# Altium PCB ELOC_Transmitter.PcbDoc (continued)
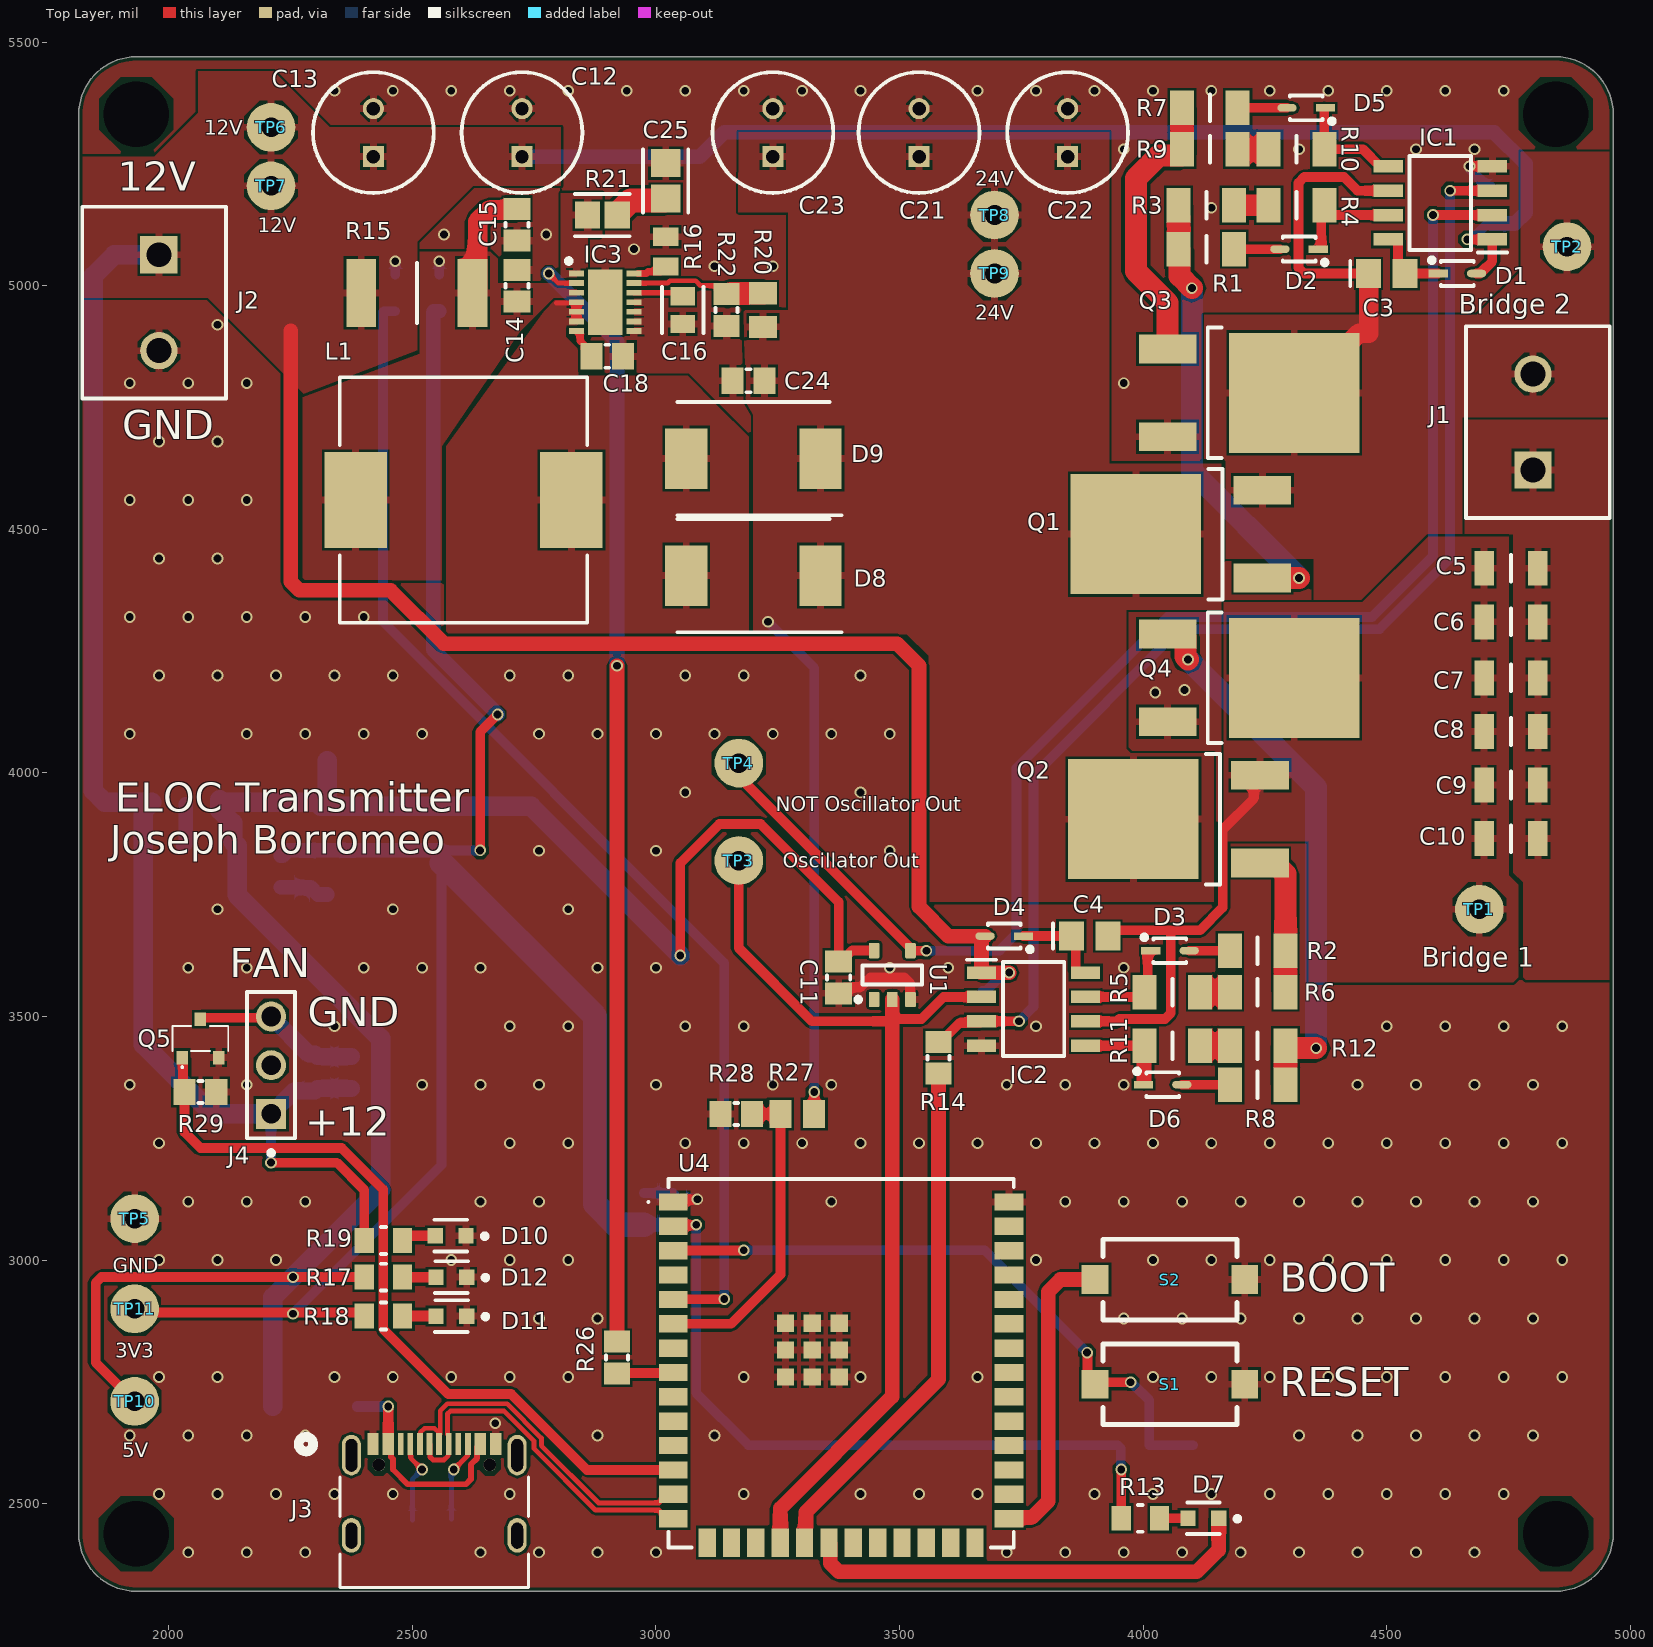
[diagram p0: Top Layer view]
## Footprints (in the part's own frame and the unit in brackets; to place one, negate y for a bottom-side part, rotate by r counter-clockwise, add the part's x,y. Pads: shape width x height; smd on the part's side, far side on the other; paste and mask are expansions set on the pad) (continued)
  silkscreen extent -47,-42 47,42, body extent -51,-31 51,31, height 10
FP-CL21-IPC_A [mil]
  rect 57.27x61.27 smd paste+0 mask+0: 1(-36.45,0) 2(36.45,0)
  silkscreen extent -65,-46 65,46, body extent -85,-50 85,50, height 10
FP-CL21-IPC_B [mil]
  rect 49.4x57.33 smd paste+0 mask+0: 1(-32.51,0) 2(32.51,0)
  silkscreen extent -57,-44 57,44, body extent -39,-25 39,25, height 57
FP-CRCW0805-e3-MFG [mm]
  rect 0.95x1.45 smd paste+0 mask+0: 1(-0.975,0) 2(0.975,0)
  silkscreen extent -0.13,-0.7 0.13,0.7, body extent -1,-0.63 1,0.63, height 0.5
FP-DBV0005A-IPC_A [mm]
  rect 1.805x0.612 smd paste+0 mask+0: 1(-1.15,0.95)
  rrect100% 1.805x0.612 smd paste+0 mask+0: 2(-1.15,0) 3(-1.15,-0.95) 4(1.15,-0.95) 5(1.15,0.95)
  silkscreen extent -3.03,-1.7 1.4,1.7, body extent -1.4,-1.45 1.4,1.45, height 1.45
FP-PR20203VBNN-MFG [mm]
  rect 1.57x1.57 hole 1.02 paste-1000 mask+0: 1(-2.54,0)
  round 1.57 hole 1.02 paste-1000 mask+0: 2(0,0) 3(2.54,0)
  silkscreen extent -4.7,-1.25 3.81,1.25, body extent -3.91,-1.35 3.91,1.35, height 0.25
FP-RNCP0805-IPC_B [mil]
  rect 51.4x55.44 smd paste+0 mask+0: 1(-30.57,0) 2(30.57,0)
  silkscreen extent -56,-43 56,43, body extent -66,-38 66,38, height 10
FP-RNCP0805-MFG [mm]
  rect 1x1.3 smd paste+0 mask+0: 1(-1,0) 2(1,0)
  silkscreen extent -0.13,-0.7 0.13,0.7, body extent -1.6,-0.8 1.6,0.8, height 0.25
FP-SOT223-IPC_B [mm]
  rect 1.86x0.872 smd paste+0 mask+0: 1(-2.976,2.3)
  rrect100% 1.86x0.872 smd paste+0 mask+0: 2(-2.976,0) 3(-2.976,-2.3)
  rrect47% 1.86x3.172 smd paste+0 mask+0: 4(2.976,0)
  silkscreen extent -3.1,-3.25 1.5,3.62, body extent -3.5,-3.25 3.5,3.25, height 1.8
FP-SRP1265C-MFG [mm]
  rect 3.25x5 smd paste+0 mask+0: 1(-5.625,0) 2(5.625,0)
  silkscreen extent -6.45,-6.4 6.45,6.4, body extent -7.35,-6.5 7.35,6.5, height 0.25
FP-TO252-MFG [mm]
  rect 1.5x3 smd paste+0 mask+0: 1(-2.286,-5.202) 3(2.286,-5.202)
  rect 6.25x6.8 smd paste+0 mask+0: 4(0,1.398)
  silkscreen extent -3.4,-3.11 3.4,-2.38, body extent -3.58,-6.8 3.58,4.9, height 0.25
RES0805 [mm] "Resistor with 0805 Footprint"
  rect 1.15x1.35 smd: 1(-0.825,0) 2(0.825,0)
  silkscreen extent -0.1,-0.58 0.1,0.58, body extent -1.05,-0.67 1.05,0.67, height 0.6
RESC2013X70X40LL20T20 [mm] "Chip Resistor, 2-Leads, Body 2.00x1.25mm, IPC High Density"
  rect 0.95x1.35 smd: 1(-0.775,0) 2(0.775,0)
  body extent -1.1,-0.72 1.1,0.72, height 0.7
RESC2013X70X40NL20T20 [mm] "Chip Resistor, 2-Leads, Body 2.00x1.25mm, IPC Medium Density"
  rect 1.15x1.45 smd: 1(-0.875,0) 2(0.875,0)
  body extent -1.1,-0.72 1.1,0.72, height 0.7
RESC3216X70N [mm]
  rect 1.25x1.8 smd: 1(-1.45,0) 2(1.45,0)
  silkscreen extent 0,-0.7 0,0.7, body extent -1.6,-0.8 1.6,0.8, height 0.55
RESC6434X90N [mm]
  rect 1.55x3.55 smd: 1(-2.9,0) 2(2.9,0)
  silkscreen extent 0,-1.58 0,1.58, body extent -3.22,-1.68 3.22,1.68, height 0.9
SOD-128 [mm]
  rect 1.4x2.1 smd mask+0.076: 1(-2.2,0) 2(2.2,0)
  silkscreen extent -2.2,-1.35 2.2,1.35, body extent -2.5,-1.35 2.5,1.35, height 1.1
SOIC127P600X175-8N [mm]
  rect 1.525x0.65 smd: 1(-2.712,1.905) 2(-2.712,0.635) 3(-2.712,-0.635) 4(-2.712,-1.905) 5(2.712,-1.905) 6(2.712,-0.635) 7(2.712,0.635) 8(2.712,1.905)
  silkscreen extent -3.47,-2.45 1.6,2.58, body extent -3,-2.45 3,2.45, height 1.75
SON50P300X400X100-15N-D [mm]
  rect 0.8x0.3 smd: 1(-1.5,1.5) 2(-1.5,1) 3(-1.5,0.5) 4(-1.5,0) 5(-1.5,-0.5) 6(-1.5,-1) 7(-1.5,-1.5) 8(1.5,-1.5) 9(1.5,-1) 10(1.5,-0.5) 11(1.5,0) 12(1.5,0.5) 13(1.5,1) 14(1.5,1.5)
  rect 1.8x3.4 smd: 15(0,0)
  silkscreen extent -2.02,2.03 -1.77,2.27, body extent -1.55,-2 1.55,2, height 1
Tactile_Button_3X6X2 [mm] "Tactile Button"
  rect 1.4x1.5 smd: 1(-3.9,0) 2(3.9,0)
  silkscreen extent -3.5,-2.1 3.5,2.1, body extent -4,-1.85 4,1.85, height 3.05
TBAT54CLM [mm]
  rect 0.6x0.7 smd: 1(-0.95,-1) 2(0.95,-1) 3(0,1)
  silkscreen extent -1.45,-1.55 1.45,0.65, body extent -1.45,-1.2 1.45,1.2, height 0.95
TESTPOINT_LOOP [mm]
  round 2.54 hole 1.02: 1(0,0)
  body extent -1.27,-1.27 1.27,1.27, height 4.57
USB4105_GCT [mil]
  oval 39x71 smd: 13(-170.08,-49.97) 14(170.08,-49.97)
  oval 39x83 smd: 15(-170.08,114.6) 16(170.08,114.6)
  round 26 hole 26 unplated: 17(-113.78,94.91) 18(113.78,94.91)
  rect 23x45 smd: A1-B12(-125.98,137.24) A4-B9(-94.49,137.24) B1-A12(125.98,137.24) B4-A9(94.49,137.24)
  rect 12x45 smd paste+0 mask+0: A5(-49.21,137.24) A6(-9.84,137.24) A7(9.84,137.24) A8(49.21,137.24) B5(68.9,137.24) B6(29.53,137.24) B7(-29.53,137.24) B8(-68.9,137.24)
  round 24 hole 24 slot 53.15 at 90 deg unplated: S_1_H1(-170.08,-50.79) S_2_H1(170.08,-50.79)
  round 24 hole 24 slot 66.93 at 90 deg unplated: S_3_H1(-170.08,114.17) S_4_H1(170.08,114.17)
  silkscreen extent -278,-157 194,152, body extent -189,-152 189,151, height 130

## Part data
C1 C2: library part CMP-207839-000010-1, "CAP CER 1UF 25V X7R 0805", Capacitance=1uF, Case Code (Imperial)=0805, Case Code (Metric)=2012, Dielectric=X7R, Max Operating Temperature=125°C, Min Operating Temperature=-55°C, Tolerance=10%, Voltage Rating=25V, Case/Package=0805, Length=0.079inch, Mount="Surface Mount", Packaging="Cut Tape", RoHS Compliant=Yes, Series=WCAP-CSGP, Thickness=0.053inch, Voltage Rating (DC)=25V, Width=0.049inch
C3 C4: "Capacitor", Capacitance=100nF, Manufacturer_Name=KEMET, Mouser Part Number=80-C0805C104K1RAUTLR, Arrow Part Number=C0805C104K1RACAUTO7210, Arrow Price/Stock=https://www.arrow.com/en/products/c0805c104k1racauto7210/kemet-corporation?region=europe, Datasheet Link=https://content.kemet.com/datasheets/KEM_C1023_X7R_AUTO_SMD.pdf, Height=1.1mm, Manufacturer_Part_Number=C0805C104K1RACAUTO7210, Mouser Price/Stock=https://www.mouser.co.uk/ProductDetail/KEMET/C0805C104K1RACAUTO7210?qs=NJR6qtu0rR34GE7CYHVK6Q%3D%3D
C5 C6 C7 C8 C9 C10: "Capacitor", Capacitance=10nF, Manufacturer_Name=KEMET, Mouser Part Number=80-C1206C103JAGECAUT, Arrow Part Number=C1206C103JAGECAUTO, Arrow Price/Stock=https://www.arrow.com/en/products/c1206c103jagecauto/kemet-corporation?region=nac, Datasheet Link=https://content.kemet.com/datasheets/KEM_C1091_C0G_ESD.pdf, Height=1.1mm, Manufacturer_Part_Number=C1206C103JAGECAUTO, Mouser Price/Stock=https://www.mouser.co.uk/ProductDetail/KEMET/C1206C103JAGECAUTO?qs=MLItCLRbWsxJM3Q8yxQv7A%3D%3D
C11 C14 C17 C18 C30 C32: "CAP CER 0.1UF 50V X7R 0805", Capacitance=0.1µF, Package / Case=0805, Supplier Part Number 1=399-1170-1-ND, Temperature Coefficient=X7R, Tolerance=±10%, Voltage - Rated=50V, Supplier 1=Digi-Key
C12 C13 C21 C22 C23: "Capacitor Polarised", Capacitance=100uF, Manufacturer_Name="Wurth Elektronik", Mouser Part Number=710-860010573007, Voltage Rating=35V, Datasheet Link=http://katalog.we-online.de/pbs/datasheet/860010573007.pdf, Height=12.5mm, Manufacturer_Part_Number=860010573007, Mouser Price/Stock=https://www.mouser.co.uk/ProductDetail/Wurth-Elektronik/860010573007?qs=0KOYDY2FL2%2FkmR1S6v%2F3Lg%3D%3D
C15 C24 C29 C31: "CAP CER 22UF 16V X5R 0805", Capacitance=22µF, Supplier Part Number 1=1276-6780-1-ND, Temperature Coefficient=X5R, Tolerance=±20%, Voltage - Rated=16V, Supplier 1=Digi-Key
C16 C20: library part CMP-13271-000003-1, "CAP CER 0.33UF 50V X7R 0805", Capacitance=330nF, Manufacturer="Samsung Electro-Mechanics", Package=CL21-F, Temperature="-55°C to +125°C", Temperature Characteristic=X7R, Temperature Coefficient=15%, Temperature Range High=+125°C, Temperature Range Low=-55°C, Tolerance=10%, Voltage Rating=50V, Automotive=No, Category=Cap, ComponentLink2Description=Datasheet, ComponentLink2URL=http://www.samsungsem.com/kr/support/product-search/mlcc/__icsFiles/afieldfile/2018/07/24/CL21B334KBFNNNE.pdf, Device Class L1="Passive Components", Device Class L2=Capacitors, Device Class L3="Ceramic Capacitors", Digikey Description="CAP CER 0.33UF 50V X7R 0805", Height=1.35mm, Ipc Land Pattern Name=CAPC200125X125, Lead Free=Yes, Manufacturer Part Number=CL21B334KBFNNNE, Material=Ceramic, Octopart=https://octopart.com/cl21b334kbfnnne-samsung-9287149, RoHS=TRUE
C19: library part CMP-2007-04689-1, Capacitance=100nF, Manufacturer="AVX Interconnect / Elco", Part Number=08055D104KAT2A
C25: library part CMP-13271-001405-1, "CL21 Series 0805 4.7nF 50V ±10% Tolerance X7R Multilayer Ceramic Chip Capacitor", Capacitance=4.7nF, Case Code (Imperial)=0805, Case Code (Metric)=2012, Dielectric=X7R, Max Operating Temperature=125°C, Min Operating Temperature=-55°C, Package Quantity=1, Tolerance=10%, Voltage=50V, Case/Package=0805, Contact Plating=Tin, Depth=1.25mm, Height=0.65mm, Lead Free="Lead Free", Length=2mm, Material=Ceramic, Mount="Surface Mount", Packaging="Tape and Reel", Radiation Hardening=No, Thickness=0.03inch, Voltage Rating=50V, Voltage Rating (DC)=50V, Width=0.049inch
C26: library part CMP-2000-06102-2, "CL21 Series 0805 10uF 16V ±10% Tolerance X5R Multilayer Ceramic Chip Capacitor", Capacitance=10uF, Case Code (Imperial)=0805, Case Code (Metric)=2012, Dielectric=X7R, Max Operating Temperature=85°C, Min Operating Temperature=-55°C, Package Quantity=1, Tolerance=10%, Voltage=16V, Case/Package=0805, Depth=1.25mm, Height=1.25mm, Lead Free="Lead Free", Length=2mm, Mount="Surface Mount", Packaging="Tape and Reel", Radiation Hardening=No, Thickness=0.055inch, Voltage Rating=16V, Voltage Rating (DC)=16V, Width=0.049inch
C27: library part CMP-13271-002967-1, "CL21 Series 0805 22uF 6.3V ±20% Tolerance X5R Multilayer Ceramic Chip Capacitor", Capacitance=22uF, Case Code (Imperial)=0805, Case Code (Metric)=2012, Dielectric=X5R, Max Operating Temperature=85°C, Min Operating Temperature=-55°C, Package Quantity=3000, Tolerance=20%, Voltage=6.3V, Case/Package=0805, Depth=1.25mm, Height=1.25mm, Length=2mm, Material=Ceramic, Mount="Surface Mount", Packaging="Tape and Reel", Radiation Hardening=No, Thickness=0.055inch, Voltage Rating=6.3V, Width=0.049inch
C28: "CAP CER 1UF 16V X7R 0805", Capacitance=1µF, Manufacturer="Murata Electronics North America", Operating Temperature="-55°C ~ 125°C", Package / Case=0805, Supplier Part Number 1=490-1691-1-ND, Temperature Coefficient=X7R, Tolerance=±10%, Voltage - Rated=16V, Supplier 1=Digi-Key
D1 D2 D3 D4 D5 D6: library part CMP-07163-000040-1, "DIODE GEN PURP 75V 150MA SOD323F", Average Rectified Current=150mA, Forward Voltage=1V, Max Forward Surge Current (Ifsm)=2A, Max Operating Temperature=150°C, Max Repetitive Reverse Voltage (Vrrm)=75V, Min Operating Temperature=-55°C, Package Quantity=1, Peak Reverse Current=5uA, Power Dissipation=200mW, Contact Plating=Tin, Element Configuration=Single, Forward Current=150mA, Height=1mm, Lead Free="Lead Free", Length=1.8mm, Max Reverse Voltage (DC)=75V, Mount="Surface Mount", Number of Pins=2, Packaging="Tape and Reel", Radiation Hardening=No, REACH SVHC="No SVHC", Recovery Time=4ns, Reverse Recovery Time=4ns, Reverse Voltage=75V, Weight=0.0276g, Width=1.35mm
D7 D10 D11 D12: library part CMP-1426-00006-5, "LED GREEN CLEAR 0603 SMD", Case Code (Imperial)=0603, Case Code (Metric)=1608, Color=Green, Forward Current=20mA, Forward Voltage=2V, Lens Color=Colorless, Max Operating Temperature=85°C, Min Operating Temperature=-40°C, Package Quantity=4000, Power Rating=72mW, Reverse Voltage (DC)=5V, Case/Package=0603, Dominant Wavelength=570nm, Height=0.8mm, Illumination Color=Green, Length=1.6mm, Lens Size=0.7mm, Lens Style=Rectangular, Lens Transparency=Clear, Luminous Intensity=40mcd, Mount="Surface Mount", Number of Pins=2, Packaging="Cut Tape", RoHS Compliant=Yes, Series=WL-SMCW, Test Current=20mA, Viewing Angle=140°, Wavelength=570nm, Weight=0.000882oz, Width=0.8mm
D8 D9: "Schottky Diode", Manufacturer_Name="Micro Commercial Components (MCC)", Mouser Part Number=833-SK86L-TP, Arrow Part Number=SK86L-TP, Arrow Price/Stock=https://www.arrow.com/en/products/sk86l-tp/micro-commercial-components?region=nac, Datasheet Link=https://www.mccsemi.com/pdf/Products/SK82L-SK810L(SMC).PDF, Height=2.62mm, Manufacturer_Part_Number=SK86L-TP, Mouser Price/Stock=https://www.mouser.co.uk/ProductDetail/Micro-Commercial-Components-MCC/SK86L-TP?qs=Fllw7YelV3%2FmZPZoVB2kyw%3D%3D
D13: "DIODE SCHOTTKY 360mV 30V 5A", MFG=Nexperia, MFG_PN=PMEG3050EP,115, Supplier=Digikey, Supplier_PN=1727-5317-1-ND
IC1 IC2: "Integrated Circuit", Manufacturer_Name=onsemi, Mouser Part Number=863-NCP5104DR2G, Arrow Part Number=NCP5104DR2G, Arrow Price/Stock=https://www.arrow.com/en/products/ncp5104dr2g/on-semiconductor, Datasheet Link=http://www.onsemi.com/pub/Collateral/NCP5104-D.PDF, Height=1.75mm, Manufacturer_Part_Number=NCP5104DR2G, Mouser Price/Stock=https://www.mouser.co.uk/ProductDetail/onsemi/NCP5104DR2G?qs=t2BMfLoP1KTbDonJSvc7wQ%3D%3D
IC3: "Integrated Circuit", Manufacturer_Name="Monolithic Power Systems (MPS)", Mouser Part Number=946-MP3426DL-LF-Z, Datasheet Link=https://www.monolithicpower.com/en/documentview/productdocument/index/version/2/document_type/Datasheet/lang/en/sku/MP3426/, Height=1mm, Manufacturer_Part_Number=MP3426DL-LF-Z, Mouser Price/Stock=https://www.mouser.co.uk/ProductDetail/Monolithic-Power-Systems-MPS/MP3426DL-LF-Z?qs=Z3CaLxJiOJL0MxCuEKYvhQ%3D%3D
IC4: "Integrated Circuit", Manufacturer_Name="Diodes Inc.", Mouser Part Number=621-AS78L05RTR-E1, Arrow Part Number=AS78L05RTR-E1, Arrow Price/Stock=https://www.arrow.com/en/products/as78l05rtr-e1/diodes-incorporated?region=asia, Datasheet Link=https://www.diodes.com/assets/Datasheets/AS78Lxx.pdf, Manufacturer_Part_Number=AS78L05RTR-E1, Mouser Price/Stock=https://www.mouser.co.uk/ProductDetail/Diodes-Incorporated/AS78L05RTR-E1?qs=FKu9oBikfSksfBIasZ7FtQ%3D%3D
J1 J2: library part CMP-1502-03324-1, "Series 1377 - 5.00 mm Horizontal Entry with Pressure Clamp WR-TBL, 2 pin", Manufacturer="Wurth Elektronik", Operating Temperature=-30to120degC, Datasheet URL=http://katalog.we-online.de/pbs/datasheet/691137710002.pdf, Manufacturer URL=http://www.we-online.de, Mounting Technology=THT, Package Reference=691137710002, Packaging=Box, Part Number=691137710002, Pin Number=2, Pitch=5.00mm, Publisher=WurthElektronik
J3: "No Description Available", Mfr_Name="Global Connector Technology", Copyright="Copyright (C) 2022 Ultra Librarian. All rights reserved.", Digi-Key_Part_Number_1=2073-USB4105-GF-ACT-ND, Digi-Key_Part_Number_2=2073-USB4105-GF-ADKR-ND, Digi-Key_Part_Number_3=2073-USB4105-GF-ATR-ND, Manufacturer_Part_Number=USB4105-GF-A, RefDes=RefDes, Type=DEV
J4: library part CMP-77940-000002-1, "CONN HEADER VERT 3POS 2.54MM", Current Rating=3A, Manufacturer="Metz Connect", Temperature="-40°C to +105°C", Temperature Range High=+105°C, Temperature Range Low=-40°C, Automotive=No, Category=Conn, ComponentLink2Description=Datasheet, ComponentLink2URL=https://datasheet.octopart.com/PR20203VBNN-Metz-Connect-datasheet-101610322.pdf, Conn Gender=Male, Conn Orientation=Straight, Contact Material=Gold,Nickel, Device Class L1=Connectors, Device Class L2="Headers and Wire Housings", Device Class L3=unset, Digikey Description="CONN HEADER VERT 3POS 2.54MM", Height=8.6mm, Lead Free=Yes, Manufacturer Part Number=PR20203VBNN, Number of Contacts=3, Number Of Rows=1, Octopart=https://octopart.com/pr20203vbnn-metz+connect-87667116, Package=PR20203VBNN, Pitch=2.54mm, RoHS=TRUE
L1: library part CMP-07248-000045-1, "FIXED IND 10UH 12A 18 MOHM SMD", Inductance=10uH, Part Number=SRP1265C-100M
Q1 Q2 Q3 Q4: library part CMP-83955-000007-1, "MOSFET N-CH 40V 50A TO252", Case/Package=DPAK, Continuous Drain Current (ID)=50A, Drain to Source Voltage (Vdss)=40V, Gate to Source Voltage (Vgs)=20V, Input Capacitance=1.8nF, Max Operating Temperature=175°C, Max Power Dissipation=2.3W, Min Operating Temperature=-55°C, Power Dissipation=50W, Mount="Surface Mount", Number of Elements=1, Number of Pins=3, Packaging="Cut Tape", Radiation Hardening=No, Rds On Max=7mR
Q5: "MOSFET (N-Channel)", Manufacturer_Name=Toshiba, Mouser Part Number=757-T2N7002BKLM, Arrow Part Number=T2N7002BK,LM, Arrow Price/Stock=https://www.arrow.com/en/products/t2n7002bklm/toshiba?region=nac, Datasheet Link=https://toshiba.semicon-storage.com/info/docget.jsp?did=30376&prodName=T2N7002BK, Height=1.1mm, Manufacturer_Part_Number=T2N7002BK,LM, Mouser Price/Stock=https://www.mouser.co.uk/ProductDetail/Toshiba/T2N7002BKLM?qs=lX6dEUlT%252BgfTnU11z%2FTylg%3D%3D
R1 R2 R3 R4 R5 R6 R7 R8 R9 R10 R11 R12: "Resistor", Manufacturer_Name="Stackpole Electronics", Resistance=4R02, Arrow Part Number=RMCF1206FT4R02, Arrow Price/Stock=https://www.arrow.com/en/products/rmcf1206ft4r02/stackpole-electronics, Datasheet Link=https://cs.seielect.com/catalog/SEI-RMCF_RMCP.pdf, Height=0.7mm, Manufacturer_Part_Number=RMCF1206FT4R02
R13 R17 R18 R19: library part CMP-26527-001902-1, "1kΩ ±1% 0.25W 0805 High Power Anti-Sulfur Thin Film Chip Resistor", Case Code (Imperial)=0805, Case Code (Metric)=2012, Max Operating Temperature=155°C, Max Power Dissipation=250mW, Min Operating Temperature=-55°C, Resistance=1kR, Resistor Type="Thin Film", Temperature Coefficient=100ppm/°C, Tolerance=1%, Case/Package=0805, Features="Moisture Resistant", Height=0.024inch, Lead Free="Lead Free", Length=0.079inch, Mount="Surface Mount", Number of Terminations=2, Packaging="Tape and Reel", Power Rating=250mW, RoHS Compliant=Yes, Series=RNCP, Size Code=0805, Width=0.049inch
R14 R22 R23 R26 R28 R29: "RES SMD 10K OHM 1% 1/8W 0805", Manufacturer=Yageo, Operating Temperature="-55°C ~ 155°C", Package / Case=0805, Power (Watts)="0.125W, 1/8W", Resistance=10kΩ, Supplier Part Number 1=311-10.0KCRCT-ND, Temperature Coefficient=±100ppm/°C, Tolerance=±1%, Composition="Thick Film", Features="Moisture Resistant", Supplier 1=Digi-Key
R15: library part CRA2512-FZ-R010ELF, "Resistor", Manufacturer_Name=Bourns, Mouser Part Number=652-CRA2512FZR010ELF, Resistance=0.01, Arrow Part Number=CRA2512-FZ-R010ELF, Arrow Price/Stock=https://www.arrow.com/en/products/cra2512-fz-r010elf/bourns, Datasheet Link=http://www.bourns.com/PDFs/CRA.pdf, Height=0.9mm, Manufacturer_Part_Number=CRA2512-FZ-R010ELF, Mouser Price/Stock=https://www.mouser.co.uk/ProductDetail/Bourns/CRA2512-FZ-R010ELF?qs=WqWCsLCZBkoNPiv%2FXVnYvw%3D%3D
R16: library part CMP-2001-00269-1, Manufacturer=Panasonic, Resistance=66.5k, Part Number=ERJ-6ENF6652V
R20 R27: library part CMP-1013-00765-2, Manufacturer=Panasonic, Package=0805, Resistance=187k, Part Number=ERJ-6ENF1873V
R21: library part CMP-26527-004331-1, "12.1kΩ ±1% 0.25W 0805 High Power Anti-Sulfur Thin Film Chip Resistor", Case Code (Imperial)=0805, Case Code (Metric)=2012, Max Operating Temperature=155°C, Max Power Dissipation=250mW, Min Operating Temperature=-55°C, Resistance=12.1kR, Resistor Type="Thin Film", Temperature Coefficient=100ppm/°C, Tolerance=1%, Case/Package=0805, Features="Moisture Resistant", Height=0.024inch, Length=0.079inch, Mount="Surface Mount", Number of Terminations=2, Packaging="Tape and Reel", RoHS Compliant=Yes, Series=RNCP, Width=0.049inch
R24 R25: library part CMP-2001-04024-2, "RES Thick Film, 5.1kΩ, 1%, 0.125W, 100ppm/°C, 0805", Case Code (Imperial)=0805, Case Code (Metric)=2012, Max Operating Temperature=155°C, Max Power Dissipation=125mW, Min Operating Temperature=-55°C, Package Quantity=10, Resistance=5.1kΩ, Temperature Coefficient=100ppm/°C, Tolerance=1%, Voltage Rating=150V, Case/Package=0805, Composition="Thick Film", Contact Plating=Tin, Depth=1.25mm, Features="Automotive AEC-Q200", Height=0.45mm, Lead Free="Lead Free", Length=2mm, Military Standard=Not, Mount="Surface Mount", Number of Terminations=2, Packaging="Tape and Reel", Power Rating=125mW, Radiation Hardening=No, Termination=SMD/SMT, Voltage Rating (DC)=150V, Weight=0.000194oz, Width=0.049inch
S1 S2: library part "Tactile Button_3X6X2", "Tactile Button_3X6X2"
TP1 TP2 TP3 TP4 TP5 TP6 TP7 TP8 TP9 TP10 TP11: library part TESTPOINT_LOOP, "PC TEST POINT MINIATURE WHITE", Manufacturer 1="Keystone Electronics", Manufacturer Part Number 1=5002, Supplier Part Number 1=36-5002-ND, Mount="Through Hole", Supplier 1=Digi-Key
U1: library part CMP-0859-00030-4, "Single Schmitt-Trigger Inverter, DBV0005A, LARGE T&R", F @ Nom Voltage(Max)(Mhz)=150, Generic Part Number=SN74LVC1G14, ICC @ Nom Voltage(Max)(mA)=0.01, Manufacturer="Texas Instruments", Operating Temperature Range(C)="-40 to 125,-40 to 85", Rating=Catalog, tpd @ Nom Voltage(Max)(ns)=11,6.5,5.5,5, Voltage(Nom)(V)=1.8,2.5,3.3,5, 3-State Output=No, Bits(#)=1, DatasheetVersion=SCES218W, Input Type=CMOS/TTL, Logic=Inverting, Output Drive (IOL/IOH)(Max)(mA)=32/-32, Output Type=CMOS, PackageReference=DBV0005A, Schmitt Trigger=Yes, Sub-Family="Inverting Buffer/Driver", Technology Family=LVC, VCC(Max)(V)=5.5, VCC(Min)(V)=1.65
U2: library part CMP-04895-000140-1, "IC CURR SENSE 1 CIRCUIT SOT23-5", Case/Package=SOT-23-5, Input Bias Current=100nA, Input Offset Voltage (Vos)=100uV, Max Operating Temperature=125°C, Min Operating Temperature=-40°C, Operating Supply Current=260uA, -3db Bandwidth=350kHz, Mount="Surface Mount", Number of Circuits=1, Packaging="Tape and Reel", Slew Rate=2V/µs
U3: library part CMP-12756-000043-1, "IC REG LINEAR 3.3V 1A SOT223", Case/Package=TO-261-4, Dropout Voltage=1.2V, Max Operating Temperature=125°C, Min Current Limit=1A, Min Operating Temperature=-40°C, Output Current=800mA, Output Voltage=3.3V, Mount="Surface Mount", Number of Pins=3, Number of Regulators=1, Packaging="Tape and Reel", RoHS Compliant=Yes
U4: "WiFi Modules - 802.11 SMD module, ESP32-S2, 4 MB SPI flash, IPEX antenna", Manufacturer_Name="Espressif Systems", Mouser Part Number=356-ESP32-S2-SOLOUN4, Datasheet Link=https://www.espressif.com/sites/default/files/documentation/esp32-s2-solo_esp32-s2-solo-u_datasheet_en.pdf, Geometry.Height=3.35mm, Manufacturer_Part_Number=ESP32-S2-SOLO-U-N4, Mouser Price/Stock=https://www.mouser.co.uk/ProductDetail/Espressif-Systems/ESP32-S2-SOLO-U-N4?qs=pBJMDPsKWf24meOzbFo%252B2g%3D%3D

## Free pads (board coordinates)
  round 60 hole 133.86: 16(1933.36,5351.75) 17(4846.75,5351.75) 18(4846.75,2438.36) 19(1933.36,2438.36)

## Via types
v1: diameter 24, hole 16, Top Layer to Bottom Layer, 270 vias

## Nets (pads, with @x,y where several pads share a name; then routed paths per layer and width w, separated by ;. In a path a pad name is that pad's centre, name@x,y a point inside that pad or via, vN(x,y) a via of type N, cw(c..) or ccw(c..) an arc to the next point about the centre after c; other vN are vias at no path point)
3V3: C17.2 C27.2 C29.2 C30.2 R13.2 R18.2 R23.1 TP11.1 U2.5 U3.2 U3.4 U4.2 | length 5668.2
  Top Layer w20: TP11.1 1937.5,2892.5 2393.76,2892.5 R18.2 ; v1(2639.09,3840.91) 2639.09,4084.09 v1(2675,4120) ; U4.2 3038.05,3071.75 3081.75,3071.75 v1(3082.52,3072.52) ; R13.2 v1(3955,2570)
  Bottom Layer w20: v1(2255,2890) 2560,3195 2560,3815.07 U3.4 v1(2639.09,3840.91) ; C29.2 C30.2 v1(3082.52,3072.52) 3082.52,2727.48 3190,2620 R23.1 3954.23,2613.28 3954.23,2570.77 v1(3955,2570)
  Bottom Layer w30: C27.2 2233.97,3830.02 2244.85,3840.91 U3.2 U3.4 ; U2.5 2544.37,4947.6 2542.48,4945.7 C17.2 2542.48,4252.52 v1(2675,4120)
  Bottom Layer w50: U3.4@2560,3815.07 2875,3500.07 2875,3115 2917.48,3072.52 C29.2
24V_Sense: R27.2 R28.2 U4.6 | length 649.5
  Top Layer w20: U4.6 3154.21,2869.21 3255.55,2970.55 R27.2 R28.2
+5: C11.2 C19.2 C26.1 D13.2 IC4.1 R17.2 TP10.1 U1.5 U3.3 | length 4294.2
  Top Layer w20: TP10.1 1850,2790 1850,2953.28 1861.72,2965 v1(2255,2965) R17.2 ; v1(3050,3625) 3050,3815 3130,3895 3215,3895 3375,3735 C11.2 3379.92,3612.48 3402.64,3635.2 U1.5
  Bottom Layer w40: IC4.1@2105,3945 IC4.1@2105,3939.88 ; D13.2 2213.38,2923.38 v1(2255,2965) 2435,3145 2435,3455 2140.43,3749.57 C19.2 2130.91,3859.53 2130.91,3897.56 2105,3923.46 IC4.1@2105,3939.88 ; C26.1 2325.31,4024.66 2325.31,3931.79 U3.3 ; v1(3050,3625) 2743.54,3931.46 U3.3 ; IC4.1@2105,3939.88 2303.45,3939.88 2311.87,3931.46 U3.3
+12: C1.1 C2.1 C12.1 C13.1 C20.1 C31.2 C32.2 D1.2 D4.2 IC1.1 IC2.1 IC4.3 J2.1 J4.1 R15.1 R19.2 TP6.1 TP7.1 U2.3 | length 8015.1
  Top Layer w20: v1(2210,3200) 2345,3200 2401.26,3143.74 R19.2 ; v1@4670,5095 IC1.1 4716.77,5049.87 4691.9,5025 D1.2
  Top Layer w30: 2250,4907.23 2250,4392.57 2267.57,4375 2455,4375 2565,4265 3495,4265 3540,4220 3540,3725 3600,3665 D4.2 ; D4.2@3668.23,3662.73 IC2.1 v1(3725,3590)
  Bottom Layer w20: v1(2210,3200) J4.1 ; U2.3 2465,5022.7 v1(2465,5050) ; C2.1 3677.87,3552.4 3714.71,3589.23 3724.23,3589.23 v1(3725,3590) ; v1(4665,5095) 4665.77,5095.77 4675.29,5095.77 4707.13,5127.6 C1.1
  Bottom Layer w30: C12.1 3090,5265 3140,5315 4720,5315 4785,5250 4785,5150 4762.6,5127.6 C1.1
  Bottom Layer w35: J4.1 2257.38,3347.38 2299.86,3347.38 C32.2 C31.2
  Bottom Layer w40: J2.1 1888.43,5063.43 1845,5020 1845,3963.31 1868.43,3939.88 1965.34,3939.88 1947.74,3922.28 C20.1 1947.74,3442.26 2090,3300 J4.1
+24: C21.1 C22.1 C23.1 C24.2 D8.1 D9.1 Q1.4 Q2.4 R20.1 R27.1 TP8.1 TP9.1 | length 1055.9
  Top Layer w20: R27.1@3320,3304.45 R27.1 3325,3300.55 v1(3325,3345)
  Bottom Layer w20: v1(3230,4310) 3325,4215 v1(3325,3345)
BOOT: S2.1 U4.27 | length 632.1
  Top Layer w30: U4.27 3727.2,2471.93 3771.93,2471.93 3805,2505 3805,2935 3830,2960 S2.1
BridgeControl: IC2.2 TP3.1 U1.2 U4.18 | length 1973.8
  Top Layer w20: TP3.1 3170,3640 3320,3490 3485,3490 ; 3485,3506.49 3496.49,3495 3545,3495 3590,3540 IC2.2
  Top Layer w30: U4.18 3255,2490 3485,2720 3485,3490 3485,3506.49 U1.2
COMP: IC3.1 R21.2 | length 1.3
  Top Layer w10: IC3.1@2835.98,5025.91 IC3.1
D_N: J3.A7 J3.B7 U4.13 | length 723
  Top Layer w10: J3.B7 2516.47,2623.24 2516.47,2646.19 2525.02,2654.74 2545.3,2654.74 2553.84,2646.19 ; J3.A7 2555.84,2623.24 2555.84,2641.74 2557.18,2643.08 2557.18,2690.36 2571.83,2705 2694.61,2705 2764.94,2634.67 2764.94,2618.85 2882.07,2501.71 3006.2,2501.71 3023.7,2519.21 U4.13
D_P: J3.A6 J3.B6 U4.14 | length 724
  Top Layer w10: J3.A6 2536.16,2621.24 2536.16,2595.86 2542.28,2589.74 2564.98,2589.74 2573.53,2598.28 2573.53,2621.24 J3.B6 2573.53,2623.24 2573.53,2641.74 2572.18,2643.08 2572.18,2684.14 2578.04,2690 2688.4,2690 2749.94,2628.46 2749.94,2612.64 2875.86,2486.71 3006.2,2486.71 3023.7,2469.21 U4.14
EN: IC3.2 R26.1 | length 2315.6
  Top Layer w10: v1(2780,5025) 2799.68,5005.31 IC3.2
  Top Layer w30: R26.1 v1(2920,4220)
  Bottom Layer w30: v1(2780,5025) 2920,4885 v1(2920,4220)
FanCtrl: Q5.1 R29.2 U4.12 | length 1613.2
  Top Layer w20: Q5.1 2029.41,3413.82 2029.41,3348.11 R29.2 2032.52,3262.48 2065,3230 2355,3230 2440,3145 2440,2858.51 2573.51,2725 2702.89,2725 2858.68,2569.21 U4.12
FB: IC3.13 R20.2 R22.2 | length 279.2
  Top Layer w10: IC3.13 3023.84,5005.31 3028.53,5010 3081.47,5010 3091.35,5000.12 3127.36,5000.12 R22.2
  Top Layer w45: R22.2 3148.94,4982.48 3150.77,4984.31 3219.86,4984.31 R20.2
GND: C1.2 C2.2 C11.1 C12.2 C13.2 C14.1 C15.1 C16.2 C17.1 C18.1 C19.1 C20.2 C21.2 C22.2 C23.2 C24.1 C25.1 C26.2 C27.1 C28.1 C29.1 C30.1 D10.1 D11.1 D12.1 IC1.4 IC2.4 IC3.8 IC3.9 IC3.10 IC3.11 IC3.15 IC4.2 IC4.4 J2.2 J3.A1-B12 J3.B1-A12 Q3.3 Q4.3 Q5.2 R16.1 R22.1 R24.2 R25.2 R28.1 R29.1 S1.2 S2.2 TP5.1 U1.3 U2.2 U3.1 U4.1 U4.40 U4.41 U4.42 U4.43 U4.44 U4.45 U4.46 U4.47 U4.48 U4.49 | length 667.5
  Top Layer w20: U4.1 3040.53,3124.23 3084.23,3124.23 v1(3085,3125) ; C11.1 3387.64,3560.16 3420.16,3560.16 3440,3580 3509.86,3580 3521.57,3568.28 3521.57,3535.63 U1.3 ; v1(4670,5245) IC1.4
  Bottom Layer w20: C29.1 C30.1 3046.72,3125.77 3084.23,3125.77 v1(3085,3125) ; v1(4670,5245) 4670.77,5244.23 4670.77,5238.76 4707.13,5202.4 C1.2
  Bottom Layer w30: 2030,3850 2035,3855 IC4.2 ; C27.1 2291.56,3765 2306.21,3750.35 U3.1
  other v1: 2040,2400 2160,2400 2280,2400 2640,2400 2760,2400 2880,2400 3000,2400 3720,2400 3840,2400 3960,2400 4080,2400 4200,2400 4320,2400 4440,2400 4560,2400 4680,2400 1980,2520 2100,2520 2220,2520 2340,2520 2460,2520 2700,2520 3180,2520 3420,2520 3540,2520 3660,2520 3900,2520 4020,2520 4140,2520 4260,2520 4380,2520 4500,2520 4620,2520 4740,2520 1920,2640 2040,2640 2160,2640 2280,2640 2880,2640 3120,2640 4320,2640 4440,2640 4560,2640 4680,2640 4800,2640 2670,2665 1980,2760 2100,2760 2340,2760 2460,2760 2580,2760 2700,2760 2820,2760 3180,2760 3420,2760 3660,2760 4020,2760 4140,2760 4260,2760 4380,2760 4500,2760 4620,2760 4740,2760 4860,2760 2760,2880 2880,2880 3960,2880 4080,2880 4200,2880 4320,2880 4440,2880 4560,2880 4680,2880 4800,2880 1980,3000 2100,3000 2220,3000 2580,3000 2700,3000 2820,3000 3780,3000 4020,3000 4140,3000 4260,3000 4380,3000 4500,3000 4620,3000 4740,3000 4860,3000 2040,3120 2160,3120 2280,3120 2640,3120 2760,3120 3360,3120 3840,3120 3960,3120 4080,3120 4200,3120 4320,3120 4440,3120 4560,3120 4680,3120 4800,3120 1980,3240 2700,3240 2820,3240 3060,3240 3180,3240 3300,3240 3420,3240 3540,3240 3660,3240 3780,3240 3900,3240 4020,3240 4140,3240 4260,3240 4380,3240 4500,3240 4620,3240 4740,3240 4860,3240 1920,3360 2160,3360 2520,3360 2640,3360 2760,3360 3000,3360 3240,3360 3360,3360 3720,3360 3840,3360 3960,3360 4440,3360 4560,3360 4680,3360 4800,3360 2340,3480 2700,3480 2820,3480 3060,3480 3180,3480 3780,3480 4500,3480 4620,3480 4740,3480 4860,3480 2040,3600 2160,3600 2400,3600 2520,3600 2640,3600 2880,3600 3000,3600 3480,3600 3600,3600 3960,3600 2100,3720 2460,3720 2820,3720 2760,3840 3000,3840 3480,3840 3060,3960 3420,3960 1920,4080 2160,4080 2280,4080 2400,4080 2520,4080 2760,4080 2880,4080 3000,4080 3120,4080 3240,4080 3360,4080 3480,4080 4025,4165 4085,4170 1980,4200 2100,4200 2220,4200 2340,4200 2460,4200 2700,4200 2820,4200 3060,4200 3180,4200 3420,4200 1920,4320 2040,4320 2160,4320 2280,4320 2400,4320 1980,4440 2100,4440 1920,4560 2040,4560 2160,4560 1980,4680 2100,4680 1920,4800 2040,4800 2160,4800 3960,4800 2100,4920 3120,5040 3240,5040 2955,5075 2565,5105 2775,5105 4140,5160 3960,5280 4320,5280 4560,5280 4680,5280 2340,5400 2460,5400 2580,5400 2700,5400 2820,5400 2940,5400 3060,5400 3180,5400 3300,5400 3420,5400 3660,5400 3780,5400 3900,5400 4020,5400 4140,5400 4260,5400 4380,5400 4500,5400 4620,5400 4740,5400
INV_OUT1: C4.2 C5.1 C6.1 C7.1 C8.2 C9.2 C10.2 IC2.6 Q2.3 Q4.4 TP1.1 | length 915.3
  Top Layer w20: IC2.6 3945.9,3490 3950.9,3495 4045,3495 4056.72,3506.72 4056.72,3676.72 ; C4.2 3939.12,3676.72 4056.72,3676.72 ; Q2.3 4227.19,3982.37 4227.19,3947.19 4163.22,3883.22 4163.22,3723.22 4116.72,3676.72 4056.72,3676.72
INV_OUT2: C3.1 IC1.6 J1.2 Q1.3 Q3.4 TP2.1 | length 849.7
  Top Layer w20: C3.1 4330.56,5025 4318.85,5036.71 4318.85,5211.22 4330.56,5222.93 4412.07,5222.93 4440,5195 IC1.6
  Top Layer w40: Q3.4 4320.85,4780 4443.45,4902.6 4462.6,4902.6 C3.1
MCU_EN: C28.2 R23.2 S1.1 U4.3 | length 1319.2
  Top Layer w20: U4.3 3035.91,3019.61 3179.61,3019.61 v1(3180,3020) ; v1(3885,2810) 3885.77,2809.23 3885.77,2764.53 3901.46,2748.84 S1.1 3905.69,2749.23 v1(3974.23,2749.23)
  Bottom Layer w20: v1(3180,3020) 3675,3020 v1(3885,2810) ; v1(3974.23,2749.23) 3975.32,2749.23 3997.89,2726.66 3998.34,2726.66 4012.48,2712.52 R23.2 C28.2
nBridgeControl: IC1.2 TP4.1 U1.4 | length 2964.4
  Top Layer w20: TP4.1 3185.31,4004.69 3185.31,3977.21 U1.4@3522.4,3640.12 ; U1.4 U1.4@3522.4,3640.12 ; v1(3555,3635) 3554.9,3635.1 3523.23,3635.1 3522.4,3635.93 U1.4@3522.4,3640.12 ; v1(4595,5145) IC1.2
  Bottom Layer w20: v1(3555,3635) 3705,3635 3740,3670 3740,4010 4050,4320 4470,4320 4595,4445 v1(4595,5145)
NetC3_2: C3.2 D1.1 IC1.8 | length 162.5
  Top Layer w20: IC1.8 4520.45,5095 4523.25,5092.2 4523.25,5039.15 C3.2 D1.1
NetC4_1: C4.1 D4.1 IC2.8 | length 195.4
  Top Layer w20: D4.1 C4.1 3861.75,3655.85 3861.75,3592.8 3864.55,3590 IC2.8
NetC5_2: C5.2 C6.2 C7.2 C8.1 C9.1 C10.1 J1.1
NetC16_1: C16.1 IC3.12 | length 101.1
  Top Layer w12: IC3.12 C16.1@3048,4985.63
  Top Layer w15: C16.1@3049.28,4984.35 C16.1
NetC18_2: C18.2 IC3.7 | length 59.8
  Top Layer w15: IC3.7@2844.49,4905.3 2844.49,4887.19 2852.38,4879.29 2852.38,4870.14 C18.2
NetC25_2: C25.2 R21.1 | length 114.5
  Top Layer w50: R21.1 2920.57,5147.02 2948.46,5174.92 3016.37,5174.92 C25.2
NetC31_1: C31.1 C32.1 J4.3 Q5.3 | length 347.1
  Top Layer w20: Q5.3 2065,3495.37 2066.81,3497.19 2207.19,3497.19 J4.3
  Bottom Layer w35: J4.3 2287.38,3422.62 2299.86,3422.62 C32.1 C31.1
NetD2_1: D2.1 IC1.7 R4.1 | length 231.3
  Top Layer w20: D2.1@4363.34,5080 4365.62,5082.27 4365.62,5158.77 R4.1 4371.85,5159.61 4386.46,5145 IC1.7
NetD2_2: D2.2 R1.1 | length 93.8
  Top Layer w20: R1.1 D2.2
NetD3_1: D3.1 IC2.7 R5.1 | length 210.6
  Top Layer w20: IC2.7 3992.91,3540 R5.1 4009.27,3556.35 D3.1@4009.27,3632.73
NetD3_2: D3.2 R2.1 | length 83.5
  Top Layer w20: D3.2 R2.1
NetD5_1: D5.1 IC1.5 R10.1 | length 228.6
  Top Layer w20: D5.1@4371.85,5362.73 R10.1 4451,5280 4486,5245 IC1.5
NetD5_2: D5.2 R7.1 | length 101.4
  Top Layer w20: R7.1 D5.2
NetD6_1: D6.1 IC2.5 R11.1 | length 193.7
  Top Layer w20: IC2.5 R11.1
  Top Layer w30: 4001.77,3367.92 4001.77,3438.85 R11.1
NetD6_2: D6.2 R8.1 | length 98.5
  Top Layer w20: D6.2 R8.1
NetD7_1: D7.1 U4.20 | length 931.8
  Top Layer w30: U4.20 3357.72,2417.28 3357.72,2377.57 3375.29,2360 4110,2360 4155,2405 D7.1
NetD7_2: D7.2 R13.1 | length 58.3
  Top Layer w20: R13.1 D7.2
NetD10_2: D10.2 R19.1 | length 71.9
  Top Layer w22: R19.1 2480,3041.31 2488.69,3050 D10.2
NetD11_2: D11.2 R18.1 | length 68.5
  Top Layer w22: R18.1 D11.2
NetD12_2: D12.2 R17.1 | length 68.5
  Top Layer w22: R17.1 D12.2
NetIC3_14: IC3.14 R16.2 | length 62.8
  Top Layer w15: IC3.14@2963.25,5025 2980,5025 2983.7,5028.7 3009.21,5028.7 R16.2
NetJ3_A5: J3.A5 R24.1 | length 173.8
  Top Layer w10: J3.A5 2496.79,2621.24 2496.79,2593.21 v1(2520,2570)
  Bottom Layer w10: R24.1 2500,2550 v1(2520,2570)
NetJ3_B5: J3.B5 R25.1 | length 167.9
  Top Layer w10: v1(2585,2570) 2612.9,2597.9 2612.9,2621.24 J3.B5
  Bottom Layer w10: R25.1 2580,2561.21 2585,2566.21 v1(2585,2570)
NetQ1_1: Q1.1 R1.2 R3.2 | length 942.6
  Top Layer w45: R3.2 R1.2 4074.78,5072.89 4074.78,5020.22 v1(4100,4995) ; Q1.1 v1(4320,4400)
  Bottom Layer w45: v1(4100,4995) 4100,4620 v1(4320,4400)
NetQ2_1: Q2.1 R2.2 R6.2 | length 303.9
  Top Layer w45: Q2.1 4269.35,3815 4292.09,3792.26 R2.2 R6.2
NetQ3_1: Q3.1 R7.2 R9.2 | length 588
  Top Layer w45: Q3.1 4050.18,4964.82 3985,5030 3985,5220 4032.07,5267.07 4077.66,5267.07 4079.76,5269.17 R9.2 R7.2
NetQ4_1: Q4.1 R8.2 R12.2 | length 1137.4
  Top Layer w45: Q4.1 4079.68,4285 4086.71,4277.97 4086.71,4238.29 v1(4092.19,4232.81) ; R8.2 R12.2@4292.09,3437.11 ; R12.2 R12.2@4292.09,3437.11 ; v1(4355,3435) 4294.19,3435 R12.2@4292.09,3437.11
  Bottom Layer w45: v1(4092.19,4232.81) 4355,3970 v1(4355,3435)
NetR3_1: R3.1 R4.2 | length 70.8
  Top Layer w45: R3.1 R4.2
NetR5_2: R5.2 R6.1 | length 60.8
  Top Layer w45: R5.2 R6.1
NetR9_1: R9.1 R10.2 | length 63.7
  Top Layer w45: R9.1 R10.2
NetR11_2: R11.2 R12.1 | length 60.8
  Top Layer w45: R11.2 R12.1
NetR14_2: R14.2 U4.19 | length 1076.4
  Top Layer w30: U4.19 3307.72,2422.72 3307.72,2482.72 3580,2755 R14.2
NetR26_2: R26.2 U4.8 | length 116.2
  Top Layer w20: R26.2 2920.85,2768.37 3034.67,2768.37 U4.8
NetU2_1: U2.1 U4.5 | length 2446
  Top Layer w20: U4.5 3035.91,2919.61 3139.61,2919.61 v1(3140,2920)
  Bottom Layer w20: U2.1 2441.93,4947.6 2439.88,4945.55 2439.88,4310.33 3140,3610.22 v1(3140,2920)
nShutdown: IC1.3 IC2.3 R14.1 | length 2581.1
  Top Layer w20: R14.1 3583.94,3447.48 3623.66,3487.2 3665.43,3487.2 IC2.3 v1(3745,3490) ; v1(4630,5195) IC1.3
  Bottom Layer w20: v1(3745,3490) 3775,3520 3775,3995 4075,4295 4485,4295 4630,4440 v1(4630,5195)
Shunt-: C14.2 C15.2 IC3.3 L1.1 R15.2 U2.4 | length 270.4
  Top Layer w40: R15.2 2633.86,4995.51 2633.86,5131.41 2657.29,5154.84 2712.36,5154.84 C15.2
  Bottom Layer w20: v1(2555,5050) 2555,5022.7 U2.4
SW: D8.2 D9.2 IC3.4 IC3.5 IC3.6 L1.2 | length 73.5
  Top Layer w10: 2795.57,4964.65 2821.01,4964.65 2821.4,4965.04 2835.98,4965.04 IC3.4
  Top Layer w20: IC3.6@2836.89,4930 IC3.5 IC3.4@2836.89,4961.69
VBUS: D13.1 J3.A4-B9 J3.B4-A9 | length 454.4
  Top Layer w12: J3.A4-B9 2456.01,2616.74 2456.01,2595.91 2460.06,2591.86 2460.06,2569.94 2490,2540 2610,2540 2620,2550 2620,2580.51 2632.99,2593.5 2632.99,2615.74 J3.B4-A9
  Top Layer w22: J3.A4-B9 v1(2450.51,2699.49)
  Bottom Layer w22: D13.1 2387.13,2699.49 v1(2450.51,2699.49)
pads on no net: J3.13 J3.14 J3.15 J3.16 J3.17 J3.18 J3.A8 J3.B8 J3.S_1_H1 J3.S_2_H1 J3.S_3_H1 J3.S_4_H1 J4.2 U1.1 U4.4 U4.7 U4.9 U4.10 U4.11 U4.15 U4.16 U4.17 U4.21 U4.22 U4.23 U4.24 U4.25 U4.26 U4.28 U4.29 U4.30 U4.31 U4.32 U4.33 U4.34 U4.35 U4.36 U4.37 U4.38 U4.39

## Polygon pours and split planes (outlines as drawn)
GND on Top Layer "comp" (solid, pour order 8): 1620,5705 1750,5575 5365,5575 5365,2335 5115,2085 5100,2100 1600,2100
+12 on Top Layer "comp" (solid, pour order 7): 1820,5265 1820,4975 2080,4975 2276.55,4778.45 2510,4867.38 2510,5090 2625,5205 2805,5205 2805,5325 2330,5325 2215,5440 2060,5440 2060,5355 1970,5265
INV_OUT2 on Top Layer "comp" (solid, pour order 6): 4125,4940 4125,4645 4165,4645 4170,4640 4170,4440 4350,4440 4350,4355 4450,4355 4585,4490 4655,4490 4655,4730 4960,4730 4960,5275 4775,5275 4775,5030 4685,4940 4445,4940
NetC5_2 on Top Layer "comp" (solid, pour order 5): 4780,3580 4785,3575 4960,3575 4960,4725 4660,4725 4660,4490 4760,4490 4760,3795 4780,3775 4780,3765
INV_OUT1 on Top Layer "comp" (solid, pour order 4): 4165.91,4350 4450,4350 4585,4485 4750,4485 4750,3790 4770,3770 4770,3580 4760,3570 4340,3570 4340,3860 4165.91,3860
+24 on Top Layer "comp" (solid, pour order 3): 3180,4950 3271.36,4950 3271.36,5149.81 3169.08,5151.02 3170.39,5315.01 3930,5315 3930,4635 4160,4635 4160,4335 3965,4335 3965,4050 3975,4040 4145,4040 4145,3735 3560,3735 3560,4240 3515,4285 3200,4285 3200,4735 3185,4760
SW on Top Layer "comp" (solid, pour order 2): 2790,4975 2860,4975 2860,4915 2815,4915 2815,4895 2840,4870 2840,4815 3065,4815 3125,4755 3190,4690 3190,4285 2575,4285 2570,4290 2570,4670
Shunt- on Top Layer "comp" (solid, pour order 1): 2860,5005 2860,4975 2790,4975 2720,4905 2560,4670 2560,4395 2274.83,4395 2275.01,4632.99 2275.12,4771.46 2515,4860 2515,5070 2660,5070 2675,5055 2675,5005
COMP on Top Layer "COMP" (solid, pour order 0): 2805,5015.69 2860,5015.69 2860,5100 2885,5100 2890,5105 2890,5190 2805,5190
GND on Bottom Layer "comp" (solid, pour order 9): 1575,5660 5315,5660 5340,5635 5340,2065 1545,2065 1510,2100

## Silkscreen, mask and mechanical layers (free items; w line width, h text height)
Top Overlay:
  text "12V" at 1895,5195 h60
  text "GND" at 1905,4685 h60
  text "ELOC Transmitter" at 1890,3920 h60
  text "Joseph Borromeo" at 1880,3814.99 h100
  text "FAN" at 2125,3580 h60
  text "GND" at 2285,3480 h60
  text "+12" at 2280,3255 h60
Board Shape:
  circle w0.5: c1933.36,2438.36 r66.93
  circle w0.5: c4846.75,5351.75 r66.93
  circle w0.5: c1933.36,5351.75 r66.93
  circle w0.5: c4846.75,2438.36 r66.93
  lines w0.5: 1815.25,2438.36 ccw(c1933.36,2438.36) 1933.36,2320.25 4846.75,2320.25 ccw(c4846.75,2438.36) 4964.86,2438.36 4964.86,5351.75 ccw(c4846.75,5351.75) 4846.75,5469.86 1933.36,5469.86 ccw(c1933.36,5351.75) 1815.25,5351.75 1815.25,2438.36